# Altium PCB opu010_pcb.PcbDoc (continued)
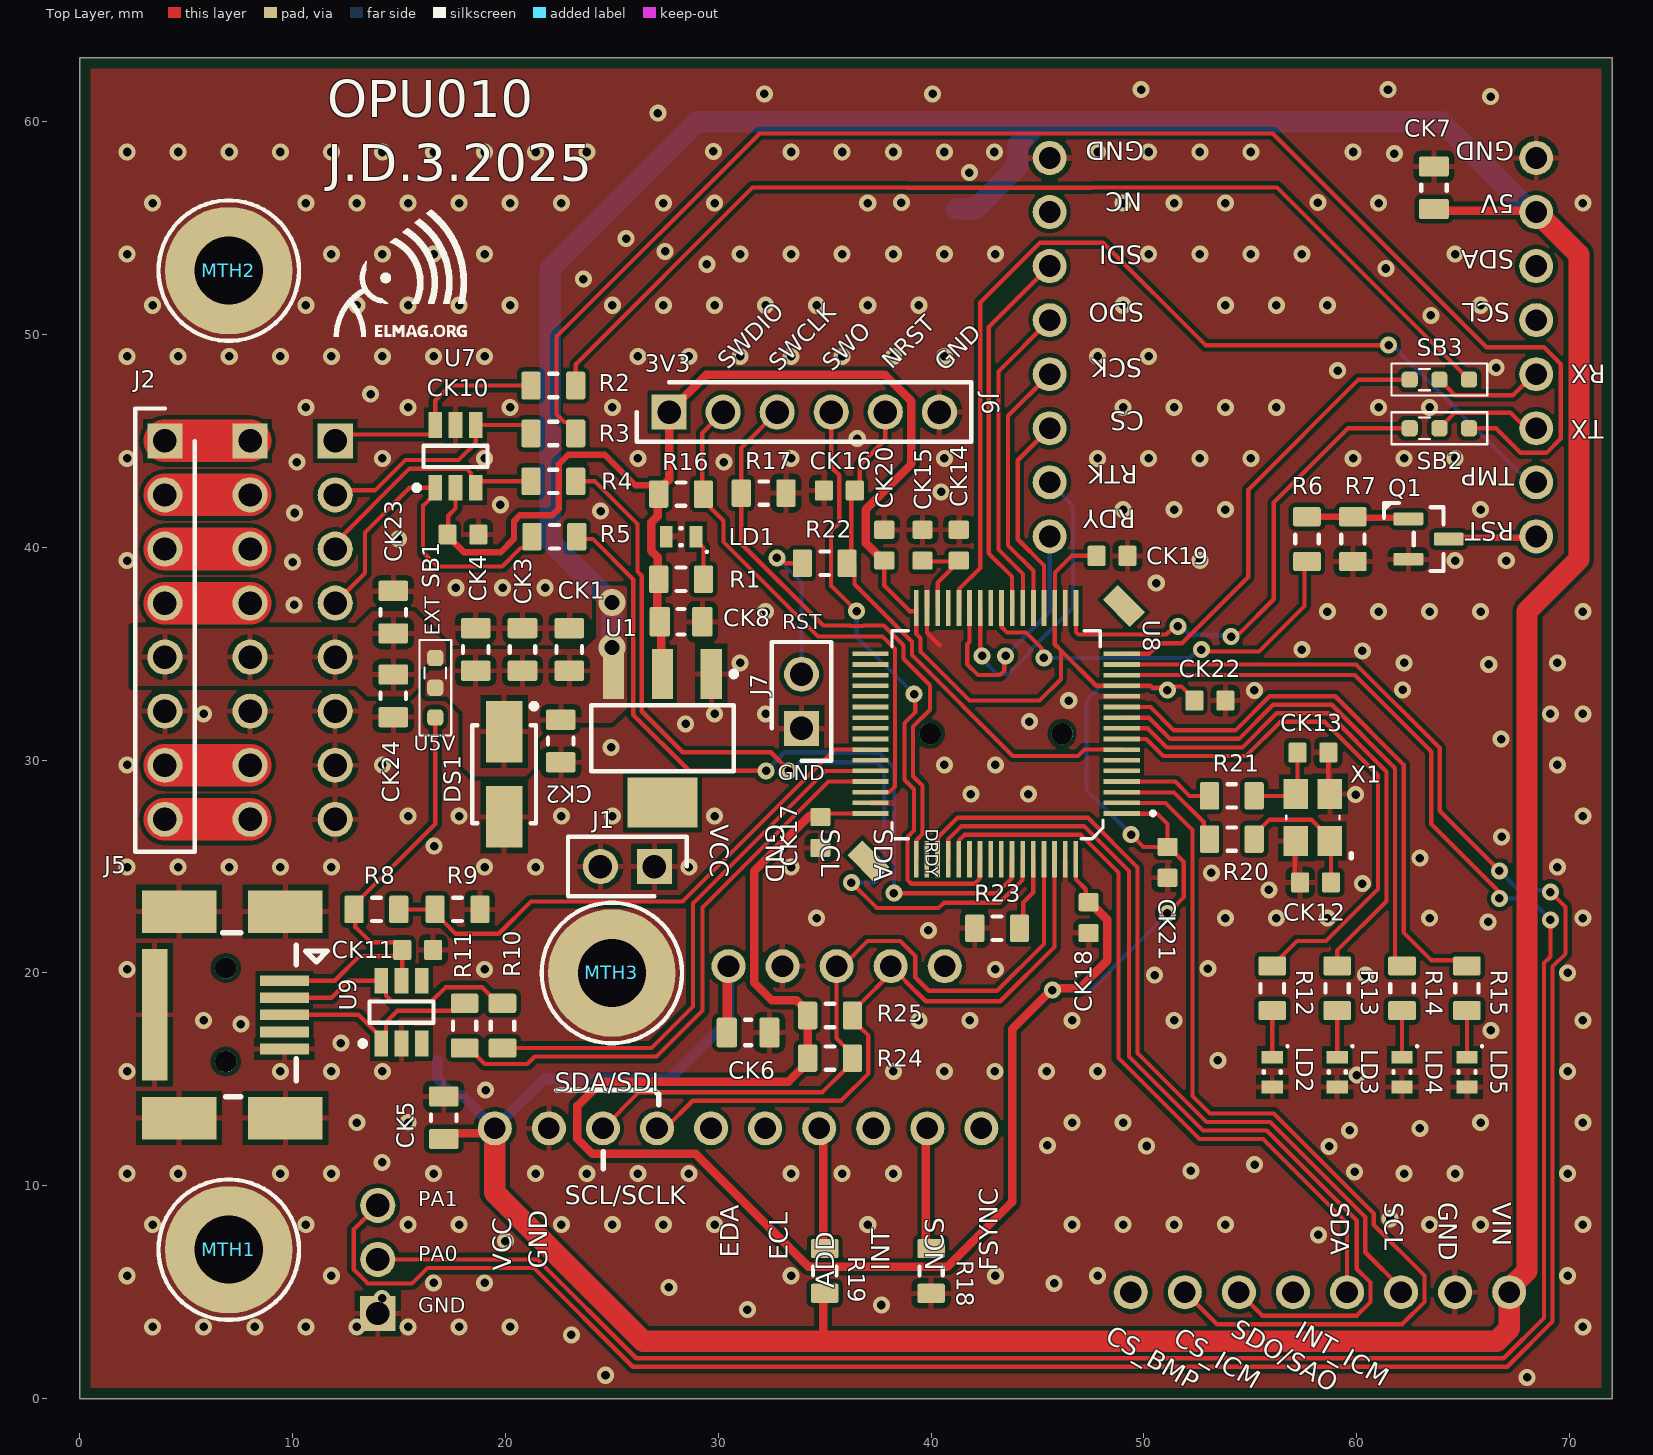
[diagram p0: Top Layer view]
## Footprints (in the part's own frame and the unit in brackets; to place one, negate y for a bottom-side part, rotate by r counter-clockwise, add the part's x,y. Pads: shape width x height; smd on the part's side, far side on the other; paste and mask are expansions set on the pad) (continued)
  rect 6.2x1.2 smd: 6(0.003,3.6)
  silkscreen extent -3.85,-4.51 3.85,0.4, body extent -4.95,-2.83 4.95,6.17, height 4

## Part data
CE1 CE2: library part "Cap el 100u 50V", "100uF 50V ±20% SMD,D8xL10.2mm Aluminum Electrolytic Capacitors - SMD ROHS", JLCPCB Part=C3352, Voltage rating=50V, Basic=No, TME Part=CK1H107M08010VR
CK1 CK2 CK3 CK4 CK5 CK6 CK7 CK8 CK23 CK24: library part "Cap 10u 0805", "25V 10uF X5R ±10% 0805 Multilayer Ceramic Capacitors MLCC - SMD/SMT ROHS", JLCPCB Part=C15850, Voltage rating=25V, Basic=Yes
CK10 CK11 CK17 CK18 CK19 CK20 CK21 CK22: library part "Cap 100n 0603", "50V 100nF X7R ±10% 0603 Multilayer Ceramic Capacitors MLCC - SMD/SMT ROHS", JLCPCB Part=C14663, Voltage rating=50V, Basic=Yes
CK12 CK13: library part "Cap 12p 0603", "50V 12pF C0G ±5% 0603 Multilayer Ceramic Capacitors MLCC - SMD/SMT ROHS", JLCPCB Part=C38523, Voltage rating=50V, Basic=Yes
CK14 CK15 CK16: library part "Cap 2u2 0603", "16V 2.2uF X5R ±10% 0603 Multilayer Ceramic Capacitors MLCC - SMD/SMT ROHS", JLCPCB Part=C23630, Voltage rating=16V, Basic=Yes
DS1: library part B230A-13-F, "30V 500mV@2A 2A SMA(DO-214AC) Schottky Diodes ROHS", JLCPCB Part=C12889
J1: library part "Pin header 2p_F", "Connector", Manufacturer_Name=Connfly, Manufacturer_Part_Number=DS1021-1*2SF11-B, Basic=No, Datasheet Link=https://www.tme.com/Document/cc301e58a5da78cb543a94b5a5b7f06a/DS1021.pdf, Height=5.88mm
J2: library part "Pin header 8p_F", "3A Direct Insert Policy 6P -40℃~+105℃ 2.54mm Single Row Black Brass 1x6P Plugin,P=2.54mm Pin Headers ROHS", Manufacturer_Name=Connfly, Manufacturer_Part_Number=DS1021-1*2SF11-B, Datasheet Link=https://www.tme.com/Document/cc301e58a5da78cb543a94b5a5b7f06a/DS1021.pdf, Height=5.88mm
J3 J4: library part "Pin header 8p", "3A Direct Insert Policy 6P -40℃~+105℃ 2.54mm Single Row Black Brass 1x6P Plugin,P=2.54mm Pin Headers ROHS", JLCPCB Part=C37208, Manufacturer_Name=Connfly, Manufacturer_Part_Number=DS1021-1*2SF11-B, Datasheet Link=https://www.tme.com/Document/cc301e58a5da78cb543a94b5a5b7f06a/DS1021.pdf, Height=5.88mm
J5: "Konektor: USB B mini; zásuvka; na PCB; SMT; PIN: 5; vodorovné", TME Part=MX-67503-1020
J6: library part "Pin header 6p", "3A Direct Insert Policy 6P -40℃~+105℃ 2.54mm Single Row Black Brass 1x6P Plugin,P=2.54mm Pin Headers ROHS", JLCPCB Part=C37208, Manufacturer_Name=Connfly, Manufacturer_Part_Number=DS1021-1*2SF11-B, Datasheet Link=https://www.tme.com/Document/cc301e58a5da78cb543a94b5a5b7f06a/DS1021.pdf, Height=5.88mm
J7: library part "Pin header 2p", "Connector", JLCPCB Part=C492401, Manufacturer_Name=Connfly, Manufacturer_Part_Number=DS1021-1*2SF11-B, Basic=No, Datasheet Link=https://www.tme.com/Document/cc301e58a5da78cb543a94b5a5b7f06a/DS1021.pdf, Height=5.88mm
J8: library part "Pin header 3p", "Direct Insert 2.54mm Policy 3A 2.5mm -40℃~+105℃ 3mm 6mm 250V Black 1x3P Single Row 3P Pin Headers", JLCPCB Part=C2937625, Manufacturer_Name=Connfly, Manufacturer_Part_Number=DS1021-1*2SF11-B, Basic=No, Datasheet Link=https://www.tme.com/Document/cc301e58a5da78cb543a94b5a5b7f06a/DS1021.pdf, Height=5.88mm
LD1 LD4: library part "LED G 0603", "0603 Green Led", JLCPCB Part=C22371297
LD2: library part "LED Y 0603", "0603 Yellow Led", JLCPCB Part=C7496811
LD3: library part "LED B 0603", "0603 Blue Led", JLCPCB Part=C7496819
LD5: library part "LED R 0603", "-40℃~+85℃ Red 0603 LED Indication - Discrete ROHS", JLCPCB Part=C2286
MTH1 MTH2 MTH3: "Universal mounting hole plated"
Q1: "60V 115mA 200mW 7.5Ω@10V,500mA 2.5V@250uA 1 N-Channel SOT-23 MOSFETs ROHS", JLCPCB Part=C8545, Basic=Yes
R1 R6 R12 R13 R14 R15 R24 R25: library part "Res 1k 0805", "125mW Thick Film Resistors 150V ±100ppm/℃ ±1% 1kΩ 0805 Chip Resistor - Surface Mount ROHS", JLCPCB Part=C17513, Package=0805, Tolerance & Rating=1%/0.1W, Author=JP/27.03.2014, Basic=Yes, ComponentLink3Description="rezistor čip", ComponentLink3URL=heliosgreen://v1/hegMT/5-MT/Classes(343)/Folders/OpenForm?RecordNumbers=[381513], SMD=1
R2 R3 R4 R5 R7 R22: library part "Res 100R 0805", "125mW Thick Film Resistors 150V ±100ppm/℃ ±1% 100Ω 0805 Chip Resistor - Surface Mount ROHS", JLCPCB Part=C17408, Package=0805, Tolerance & Rating=1%/0.1W, Author=JP/27.03.2014, Basic=Yes, ComponentLink3Description="rezistor čip", ComponentLink3URL=heliosgreen://v1/hegMT/5-MT/Classes(343)/Folders/OpenForm?RecordNumbers=[381513], SMD=1
R8: library part "Res 4k7 0805", "125mW Thick Film Resistors 150V ±100ppm/℃ ±1% 4.7kΩ 0805 Chip Resistor - Surface Mount ROHS", JLCPCB Part=C17673, Package=0805, Tolerance & Rating=1%/0.1W, Author=JP/27.03.2014, Basic=YES, ComponentLink3Description="rezistor čip", ComponentLink3URL=heliosgreen://v1/hegMT/5-MT/Classes(343)/Folders/OpenForm?RecordNumbers=[381513], SMD=1
R9 R16 R17 R23: library part "Res 10k 0805", "125mW Thick Film Resistors 150V ±100ppm/℃ ±1% 10kΩ 0805 Chip Resistor - Surface Mount ROHS", JLCPCB Part=C17414, Package=0805, Tolerance & Rating=1%/0.1W, Basic=Yes, ComponentLink3Description="rezistor čip", ComponentLink3URL=heliosgreen://v1/hegMT/5-MT/Classes(343)/Folders/OpenForm?RecordNumbers=[381513], SMD=1
R10 R11 R18 R19 R20 R21: library part "Res 0R 0805", "125mW Thick Film Resistors 150V ±800ppm/℃ ±1% 0Ω 0805 Chip Resistor - Surface Mount ROHS", JLCPCB Part=C17477, Package=0805, Tolerance & Rating=1%/0.1W, Author=JP/27.03.2014, Basic=YES, ComponentLink3Description="rezistor čip", ComponentLink3URL=heliosgreen://v1/hegMT/5-MT/Classes(343)/Folders/OpenForm?RecordNumbers=[381513], SMD=1
SB1 SB2 SB3: library part "0R T-junction", JLCPCB Part=C21189, Basic=Yes
U1: "72dB@(120Hz) 1A Fixed 3.3V Positive electrode SOT-223 Voltage Regulators - Linear, Low Drop Out (LDO) Regulators ROHS", JLCPCB Part=C6186, Basic=Yes
U2: library part "devboard MPU9250/6500", "Module, MPU9250/6500"
U3: library part "devboard GY-912", "devboard GY-912"
U4: library part "devboard HMC5883L", "devboard HMC5883L"
U5: library part "devboard ZED-F9P", "devboard GNSS RTK click"
U7 U9: "5A 17V 6V Unidirectional 5.25V SOT-23-6 ESD and Surge Protection (TVS/ESD) ROHS", JLCPCB Part=C111212, Basic=No
U8: "256KB 1.7V~3.6V ARM-M4 64KB 84MHz FLASH 50 LQFP-64(10x10) Microcontrollers (MCU/MPU/SOC) ROHS", JLCPCB Part=C74524, Basic=No
X1: library part "16 MHz crystal", "X322516MLB4SI / 16MHz Surface Mount Crystal 9pF ±10ppm ±20ppm SMD3225-4P Crystals ROHS", JLCPCB=C13738, Basic=Yes

## Via types
v1: diameter 0.8, hole 0.4, Top Layer to Bottom Layer, tented both sides, 334 vias
v2: diameter 0.8, hole 0.4, Top Layer to Bottom Layer, 4 vias
v3: diameter 1.27, hole 0.711, Top Layer to Bottom Layer, tented both sides, 2 vias

## Nets (pads, with @x,y where several pads share a name; then routed paths per layer and width w, separated by ;. In a path a pad name is that pad's centre, name@x,y a point inside that pad or via, vN(x,y) a via of type N, cw(c..) or ccw(c..) an arc to the next point about the centre after c; other vN are vias at no path point)
3V3: CK8.1 CK10.1 CK17.1 CK18.1 CK19.1 CK20.1 CK21.1 CK22.1 J6.1 R1.1 R16.2 R24.1 R25.1 U1.2 U7.2 U8.1 U8.13 U8.19 U8.32 U8.48 U8.64 | length 182.8
  Top Layer w0.2: CK10.1 17.309,40.634 17.309,41.487 17.653,41.831 U7.2 ; CK17.1 34.97,27.495 U8.48 ; CK20.1 37.8,38.2 38.999,37.001 39.296,37.001 U8.32@39.306,37.011 ; U8.32 U8.32@39.306,37.011 ; U8.64 46.809,25.33 46.809,24.391 47.267,23.933 47.267,23.458 CK18.1 ; CK19.1 46.6,39.6 45.816,38.816 45.816,37.153 U8.19 45.806,35.449 46.1,35.155 ; U8.1 48.964,27.485 50.615,27.485 51.1,27 CK21.1 ; v1(49.4,26.5) 49.975,25.925 CK21.1 ; v1(51.1,22.8) 51.875,23.575 51.875,25.2 51.15,25.925 CK21.1 ; v1(51.1,33.295) 50.995,33.4 50.4,33.4 50.3,33.5 50.295,33.495 U8.13 47.76,33.495 46.1,35.155 ; v1@51.1,33.4 51.158,33.458 51.767,33.458 52.375,32.85 CK22.1 ; U8.32@39.306,37.011 39.306,35.922 39.501,35.727 39.501,35.099 41.8,32.8 45.096,32.8 46.1,33.804 46.1,35.155 ; J6.1@27.144,45.813 J6.1 J6.1@27.144,45.813
  Top Layer w0.3: CK10.1 17.275,40.55 18.05,39.775 19.775,39.775 20.4,40.4 20.4,41.231 20.669,41.5 22.2,41.5 22.5,41.8 22.5,43.9 22.95,44.35 24.657,44.35 26.097,42.91 26.9,42.91 27.144,42.666 27.144,42.556 R16.2
  Top Layer w0.4: R16.2@27.144,42.556 27.144,41.46 26.85,41.166 26.85,39.834 27.144,39.54 27.144,38.556 R1.1 27.126,38.426 27.126,36.5 27.313,36.313 27.313,34.112 U1.2 ; R16.2@27.2,42.7 27.45,42.95 27.452,42.95 27.686,43.184 J6.1 29.431,48.1 37.833,48.1 39.071,46.862 39.071,43.915 36.925,41.769 36.925,40.2 37.75,39.375 CK20.1 ; R24.1 R24.1@34.2,15.8 ; R25.1 R25.1@34.2,18.2 ; CK17.1 34.737,27.388 34.288,27.388 31.68,24.78 31.68,19.555 32.523,18.712 33.688,18.712 R25.1@34.2,18.2 ; v1(45.7,19.2) 45.717,19.217 v1@45.717,19.277 ; CK18.1 47.45,23.325 48.275,22.5 48.275,20.575 46.977,19.277 v1@45.717,19.277 ; R24.1@34.2,15.8 33.3,14.9 24.523,14.9 23.38,13.757 23.38,12.203 24.083,11.5 28.937,11.5 34.237,6.2 40.763,6.2 43.8,9.237 43.8,17.359 v1@45.717,19.277 ; R24.1@34.2,15.8 R25.1@34.2,18.2
  Bottom Layer w0.2: v1(45.7,19.2) 47.5,19.2 v1(51.1,22.8) ; v1(49.4,26.5) 47.3,28.6 47.3,32.8 47.956,33.456 50.3,33.456 50.4,33.356 51.039,33.356 v1(51.1,33.295)
+5: CE1.1 CE2.1 CK1.1 CK2.1 CK3.1 CK4.1 CK5.1 CK6.1 CK7.1 DS1.1 R19.1 SB1.2 U1.3 U2.1 U3.1 U4.1 U5.10 | length 217.7
  Top Layer w0.4: CK5.1 17.37,12.47 19.27,12.47 U2.1 ; 34.925,3 34.925,4.875 R19.1 ; CK7.1 63.699,55.824 68.359,55.824 U5.10
  Top Layer w0.45: CK6.1 30.425,17.225 30.425,20.265 U4.1
  Top Layer w1: U2.1 19.5,9.674 26.474,2.7 66.574,2.7 67.159,3.286 U3.1@67.159,4.999 ; U3.1@67.16,5.162 68,6.002 68,37 70.438,39.438 70.438,53.745 U5.10
  Bottom Layer w0.5: CE1.1 16.8,15.025 17.6,14.225 17.975,14.225 U2.1 21.82,15.02 27.72,15.02 30.48,17.78 U4.1
  Bottom Layer w1: v3@24.99,37.41 22.098,40.302 22.098,53.086 29.012,60 45.6,60 ; v3(25,35.3) v3(25,37.4) ; CE2.1 42.075,55.9 44.07,57.895 44.07,58.914 45.156,60 45.6,60 ; U5.10 68.199,55.753 63.952,60 45.6,60
+5_ext: CK23.1 CK24.1 J2.5 J3.5 J4.5 SB1.3
+24V: J2.7 J3.7 | length 4
  Top Layer w2: J2.7 J3.7
\M\O\T\O\R\_\E\N\A\B\L\E\: J2.1 J3.1 | length 4
  Top Layer w2: J2.1 J3.1
AOU_UART_RX: J2.3 J3.3 | length 4
  Top Layer w2: J2.3 J3.3
AOU_UART_TX: J2.4 J3.4 | length 4
  Top Layer w2: J2.4 J3.4
CS_BMP: U3.8
CS_ICM: U3.7 U8.2 | length 44.6
  Top Layer w0.2: U8.2 48.964,27.985 51.015,27.985 52.275,26.725 52.275,14.225 53.1,13.4 56.097,13.4 60.8,8.697 60.8,8.163 63.18,5.783 63.18,4.544 62.136,3.5 53.42,3.5 U3.7
ERR_OUT: J2.2 J3.2 | length 4
  Top Layer w2: J2.2 J3.2
GND: CE1.2 CE2.2 CK1.2 CK2.2 CK3.2 CK4.2 CK5.2 CK6.2 CK7.2 CK8.2 CK10.2 CK11.2 CK12.2 CK13.2 CK14.2 CK15.1 CK16.2 CK17.2 CK18.2 CK19.2 CK20.2 CK21.2 CK22.2 CK23.2 CK24.2 DS1.2 J1.1 J1.2 J2.6 J3.6 J4.6 J4.7 J4.8 J5.5 J5.6 J6.6 J7.1 J8.1 LD1.2 LD2.2 LD3.2 LD4.2 LD5.2 MTH1.1 MTH2.1 MTH3.1 Q1.2 R7.1 R9.1 R17.1 R18.1 R23.1 U1.1 U2.2 U3.2 U4.2 U5.8 U5.9 U7.5 U8.12 U8.18 U8.31 U8.47 U8.63 U9.2 X1.2 X1.4 | length 6
  Top Layer w0.2: U8.31 39.806,35.994 40.4,35.4 ; X1.4 57.09,26.157 57.09,24.507 CK12.2 ; CK13.2 58.663,28.48 X1.2
  other v1: 68,1 24.7,1.1 23.1,3 3.422,3.374 5.822,3.374 8.222,3.374 10.622,3.374 13.022,3.374 15.422,3.374 17.822,3.374 20.222,3.374 70.622,3.374 31.361,4.181 37.666,4.4 14.2,4.715 27.679,5.233 45.778,5.418 16.622,5.44 19.022,5.44 2.222,5.774 11.822,5.774 33.422,5.774 43.022,5.774 47.822,5.774 69.9,5.774 20,7.4 58.2,7.7 3.422,8.174 10.622,8.174 15.422,8.174 17.822,8.174 22.622,8.174 25.022,8.174 27.422,8.174 29.822,8.174 37.022,8.174 46.622,8.174 49.022,8.174 51.422,8.174 53.822,8.174 63.422,8.174 65.822,8.174 70.622,8.174 61.566,8.453 2.222,10.574 4.622,10.574 9.422,10.574 11.822,10.574 16.622,10.574 21.422,10.574 23.822,10.574 26.222,10.574 28.622,10.574 33.422,10.574 35.822,10.574 38.222,10.574 62.222,10.574 64.622,10.574 69.9,10.574 59.9,10.652 52.2,10.7 55.2,11 14.2,11.1 50.123,11.871 58.7,11.852 45.466,11.9 59.666,12.6 62.966,12.7 13.022,12.974 15.422,12.974 46.622,12.974 49.022,12.974 65.822,12.974 70.622,12.974 19.066,14.5 60,15.2 2.222,15.374 9.422,15.374 11.822,15.374 14.222,15.374 38.222,15.374 40.622,15.374 43,15.374 45.422,15.374 47.822,15.374 69.9,15.374 53.473,15.897 12.266,16.7 66.3,17.3 7.566,17.6 5.822,17.774 39.422,17.774 41.822,17.774 46.622,17.774 51.422,17.774 70.622,17.774 50.5,19.9 60.4,19.9 69.9,20.008 2.222,20.174 19.022,20.174 43.022,20.174 53,20.2 39.866,22 66.166,22.4 34.622,22.574 53.822,22.574 56.222,22.574 58.622,22.574 63.422,22.574 70.622,22.574 55.866,23.9 60.266,24.2 53.166,24.7 2.222,24.974 4.622,24.974 7.022,24.974 9.422,24.974 11.822,24.974 19.022,24.974 21.422,24.974 28.622,24.974 33.422,24.974 69.422,24.974 62.965,25.399 16.644,25.955 66.8,26.4 15.422,27.374 17.822,27.374 22.622,27.374 25.022,27.374 29.822,27.374 70.622,27.374 59.947,28.383 41.866,28.4 44.566,28.4 2.222,29.774 14.222,29.774 40.622,29.774 43.022,29.774 69.422,29.774 24.966,30.6 66.776,30.983 28.466,31.7 44.619,31.809 5.822,32.174 29.822,32.174 32.222,32.174 69.1,32.174 70.622,32.174 46.466,32.8 55.188,33.278 62.152,33.304 66.2,34.5 31.022,34.574 62.222,34.574 69.422,34.574 60.257,35.134 57.422,35.195 32.222,36.974 58.622,36.974 61.022,36.974 63.422,36.974 65.822,36.974 70.622,36.974 10.066,37.3 17.666,38.1 19.866,38.1 21.866,38.1 50.577,38.319 10,39.3 2.222,39.374 52.622,39.374 64.622,39.374 67.022,39.374 14.966,40.4 10.092,41.612 24.466,41.7 49.022,41.774 51.422,41.774 53.822,41.774 65.822,41.774 19.766,42 40.466,42.6 10.2,44 30.266,44 2.222,44.174 14.222,44.174 19.022,44.174 26.222,44.174 33.422,44.174 40.622,44.174 47.822,44.174 50.222,44.174 52.622,44.174 55.022,44.174 59.822,44.174 62.222,44.174 64.622,44.174 36.528,45.102 10.622,46.574 15.422,46.574 20.222,46.574 25.022,46.574 49.022,46.574 51.422,46.574 53.822,46.574 56.222,46.574 61.022,46.574 63.422,46.574 13.666,47.2 59.1,48.3 66.544,48.448 2.222,48.974 4.622,48.974 7.022,48.974 9.422,48.974 11.822,48.974 14.222,48.974 16.622,48.974 19.022,48.974 26.222,48.974 28.622,48.974 31.022,48.974 33.422,48.974 35.822,48.974 38.222,48.974 40.622,48.974 47.822,48.974 50.222,48.974 63.48,50.893 3.422,51.374 10.622,51.374 13.022,51.374 15.422,51.374 17.822,51.374 20.222,51.374 25.022,51.374 27.422,51.374 29.822,51.374 32.222,51.374 34.622,51.374 37.022,51.374 39.422,51.374 49.022,51.374 53.822,51.374 56.222,51.374 58.622,51.374 65.822,51.374 23.666,52.6 61.366,53.1 29.466,53.3 2.222,53.774 11.822,53.774 14.222,53.774 16.622,53.774 19.022,53.774 31.022,53.774 33.422,53.774 35.822,53.774 38.222,53.774 40.622,53.774 43.022,53.774 50.222,53.774 52.622,53.774 55.022,53.774 57.422,53.774 64.622,53.774 27.5,53.9 25.666,54.5 3.422,56.174 10.622,56.174 13.022,56.174 15.422,56.174 17.822,56.174 20.222,56.174 22.622,56.174 27.422,56.174 29.822,56.174 37.022,56.174 49.022,56.174 51.422,56.174 53.822,56.174 61.022,56.174 70.622,56.174 38.6,56.2 58.166,56.2 41.8,57.6 61.766,58.5 2.222,58.574 4.622,58.574 7.022,58.574 9.422,58.574 11.822,58.574 14.222,58.574 16.622,58.574 19.022,58.574 21.422,58.574 23.822,58.574 33.422,58.574 35.822,58.574 38.222,58.574 40.622,58.574 42.97,58.574 47.822,58.574 50.222,58.574 52.622,58.574 55.022,58.574 59.822,58.574 29.766,58.6 27.166,60.4 66.283,61.178 32.166,61.3 40.066,61.3 49.866,61.5 61.466,61.5
gps-time-pulse: U5.15 U8.28 | length 46.7
  Top Layer w0.2: U8.28 41.316,37.153 41.316,38.038 42.307,39.028 42.307,51.506 45.114,54.313 48.076,54.313 52.889,49.5 v1(61.5,49.5)
  Bottom Layer w0.2: v1(61.5,49.5) 61.662,49.5 68.109,43.053 U5.15
gps_rdy: U5.1 U8.27 | length 11.9
  Top Layer w0.2: U8.27 41.806,35.555 41.7,35.449 41.7,34.5 42.2,34 43.24,34 43.44,34.2 43.44,34.84 v1(43.5,34.9)
  Bottom Layer w0.2: v1(43.5,34.9) 45.57,36.97 U5.1
gps_rtk: U5.2 U8.26 | length 14.7
  Top Layer w0.2: U8.26 42.306,34.994 v1(42.4,34.9)
  Bottom Layer w0.2: v1(42.4,34.9) 42.4,34.738 43.095,34.042 43.632,34.042 44.6,35.01 44.6,35.09 46.67,37.16 46.67,41.953 U5.2
gps_spi_CS: U5.3 U8.20 | length 9.6
  Top Layer w0.2: U8.20 45.306,39.145 44.069,40.382 44.069,44.092 U5.3
gps_spi_MISO: U5.5 U8.22 | length 15
  Top Layer w0.2: U8.22 44.316,37.153 44.316,38.749 43.161,39.904 43.161,48.264 U5.5
gps_spi_MOSI: U5.6 U8.23 | length 17.7
  Top Layer w0.2: U8.23 43.801,37.893 43.801,38.622 42.707,39.716 42.707,50.35 U5.6
gps_spi_SCK: U5.4 U8.21 | length 12.3
  Top Layer w0.2: U8.21 44.806,38.901 43.615,40.092 43.615,46.178 U5.4
GPS_UART_RX: SB3.2 U5.13 | length 5.4
  Top Layer w0.2: SB3.2 64.616,47.144 67.337,47.144 U5.13@68.517,48.324
GPS_UART_RX_OUT: R2.2 SB3.1 | length 50.2
  Top Layer w0.2: R2.2 23.3,48.597 31.61,56.907 38.883,56.907 38.89,56.9 47.566,56.9 47.573,56.907 56.25,56.907 SB3.1
GPS_UART_TX: SB2.2 U5.14 | length 5.2
  Top Layer w0.2: SB2.2 64.616,46.328 67.21,46.328 67.677,45.861 68.162,45.861 U5.14
GPS_UART_TX_OUT: R3.2 SB2.1 | length 69.2
  Top Layer w0.2: R3.2 23.3,45.536 22.95,45.886 22.764,45.886 22.4,46.25 22.4,49.9 31.947,59.447 56.053,59.447 66.097,49.403 68.792,49.403 69.584,48.611 69.584,45.115 68.908,44.439 67.702,44.439 66.548,45.593 SB2.1
imu_iic_scl: R24.2 U2.3 U4.3 U8.61 | length 34.6
  Top Layer w0.2: U2.3 26.28,14.4 34.9,14.4 35.95,15.45 36.3,15.8 36.3,16.2 35.95,16.55 35.936,16.55 35.55,16.936 35.55,20.112 U4.3@35.758,20.32 ; U4.3 U4.3@35.758,20.32 ; U8.61 45.3,21.366 43.1,19.166 39.889,19.166 39.254,19.801 39.254,20.798 38.552,21.5 37.013,21.5 35.833,20.32 U4.3@35.758,20.32
imu_iic_sda: R25.2 U2.4 U4.4 U8.62 | length 30.7
  Top Layer w0.2: U2.4 27.499,12.7 28.799,14 35.772,14 37.05,15.278 37.05,17.064 36.664,17.45 36.65,17.45 36.3,17.8 36.3,18.2 36.65,18.55 36.664,18.55 38.1,19.986 U4.4 38.8,19.62 38.8,19.613 39.744,18.669 43.245,18.669 45.799,21.224 U8.62
mcu_gps_rst: R6.2 U8.24 | length 19.1
  Top Layer w0.2: U8.24@43.316,37.133 43.316,36.249 43.572,35.993 44.456,35.993 45.185,35.265 45.185,34.915 v1(45.3,34.8) ; v1(52.7,35.195) 52.795,35.1 55.4,35.1 57.548,37.248 57.548,39.226 R6.2
  Bottom Layer w0.2: v1(45.3,34.8) 52.142,34.8 52.538,35.195 v1(52.7,35.195)
MCU_NRST: CK16.1 J6.5 R22.1 U8.7 | length 25.4
  Top Layer w0.2: R22.1 R22.1@36.15,39.35 ; J6.5 37.846,45.053 36.652,43.859 36.652,42.912 36.25,42.51 36.25,39.45 R22.1@36.15,39.35 ; U8.7 48.944,30.505 47.205,30.505 46.9,30.2 43.834,30.2 39.101,34.933 39.101,35.561 36.4,38.263 36.4,39.1 R22.1@36.15,39.35
MCU_SWO: J6.4 U8.55 | length 28.9
  Top Layer w0.2: J6.4 35.306,43.765 35.687,43.384 35.687,41.15 35.3,40.763 35.3,38.2 v1(36.5,37) ; v1(39.2,33.1) 39.25,33.05 39.25,32.236 38.753,31.739 38.753,29.081 39.2,28.634 39.2,26.691 38.89,26.38 38.89,24.366 39.065,24.19 42.034,24.19 42.29,24.446 42.29,25.33 U8.55
  Bottom Layer w0.2: v1(36.5,37) 36.5,35.8 v1(39.2,33.1)
MCU_USART1_RX: R4.2 U8.59 | length 42.1
  Top Layer w0.2: R4.2 24.2,43.1 26.2,41.1 26.2,38.866 26.4,38.666 26.4,32.3 28.329,30.371 32.467,30.371 33.3,29.538 v1(33.3,29.5) ; v1(36.25,24.25) 37.45,23.05 40.35,23.05 40.6,23.3 43.22,23.3 44.29,24.37 44.29,25.33 U8.59
  Bottom Layer w0.2: v1(33.3,29.5) 33.462,29.5 33.862,29.9 37.434,29.9 37.8,29.534 37.8,24.7 37.35,24.25 v1(36.25,24.25)
MCU_USART1_TX: R5.2 U8.58 | length 36.5
  Top Layer w0.2: R5.2 23.46,40.39 24.11,40.39 26,38.5 26,32.134 28.634,29.5 v1(32.25,29.5) ; v1(38.25,23.75) 43.093,23.75 43.79,24.446 43.79,25.33 U8.58
  Bottom Layer w0.2: v1(32.25,29.5) 33.121,30.371 37.529,30.371 38.25,29.65 v1(38.25,23.75)
MCU_USART2_RX: SB2.3 U8.17 | length 24
  Top Layer w0.2: U8.17 46.806,36.015 46.924,35.898 51.046,35.898 51.435,36.287 v1(51.597,36.287) ; v1(54.1,35.8) 54.262,35.8 54.436,35.974 54.516,35.974 56.1,37.558 56.1,42.1 59.593,45.593 SB2.3
  Bottom Layer w0.2: v1(51.597,36.287) 51.754,36.287 52.17,35.87 52.385,35.87 52.41,35.895 52.99,35.895 53.015,35.87 54.03,35.87 v1(54.1,35.8)
MCU_USART2_TX: SB3.3 U8.16 | length 21.3
  Top Layer w0.2: U8.16 50.24,34.995 50.742,35.498 51.798,35.498 54.9,38.6 54.9,42.7 60.079,47.879 SB3.3
NetCK12_1: CK12.1 R20.1 X1.1 | length 6.5
  Top Layer w0.2: R20.1 55.178,26.489 55.894,27.205 57.863,27.205 58.738,26.33 X1.1 58.79,26.153 CK12.1
NetCK13_1: CK13.1 R21.1 X1.3 | length 4
  Top Layer w0.2: R21.1 57.054,28.321 57.213,28.48 CK13.1
NetCK14_1: CK14.1 CK15.2 U8.30 | length 4.4
  Top Layer w0.2: CK15.2 39.637,39.338 41.277,39.338 CK14.1@41.3,39.361 ; U8.30 40.306,38.337 40.925,38.955 40.925,39.05 41.25,39.375 CK14.1@41.281,39.375
NetJ4_1: J4.1 R2.1 U7.6 | length 11.1
  Top Layer w0.2: J4.1 12.3,45.3 16.478,45.3 16.703,45.525 16.703,46.903 17.4,47.6 R2.1
NetJ4_2: J4.2 R3.1 U7.4 | length 11.2
  Top Layer w0.2: J4.2 12.215,42.675 13.875,42.675 15.297,44.097 17.797,44.097 18.603,44.903 18.603,45.497 U7.4 20.85,45.747 21.2,45.397 R3.1
NetJ4_3: J4.3 R4.1 U7.3 | length 12.6
  Top Layer w0.2: J4.3 12,40.2 15.497,43.697 18.162,43.697 18.378,43.481 18.378,43.297 18.419,43.256 U7.3@18.603,43.256 ; R4.1 U7.3@18.828,43.1 ; U7.3@18.603,43.031 U7.3@18.603,43.256 ; U7.3@18.603,43.031 U7.3 U7.3@18.828,43.022 ; U7.3@18.603,43.031 U7.3@18.828,43.256 ; U7.3@18.603,43.256 U7.3@18.828,43.256 ; U7.3@18.828,43.022 U7.3@18.828,43.1 ; U7.3@18.828,43.022 U7.3@18.828,43.1 ; U7.3@18.828,43.1 U7.3@18.828,43.256
NetJ4_4: J4.4 R5.1 U7.1 | length 17.4
  Top Layer w0.2: J4.4 13.4,38.78 13.4,40.7 15.497,42.797 U7.1 16.703,42.522 16.129,41.948 16.129,39.771 16.8,39.1 19.85,39.1 20.714,39.964 20.9,39.964 21.25,40.314 R5.1
NetJ5_2: J5.2 R10.1 U9.6 | length 11.8
  Top Layer w0.2: J5.2 11.822,18.834 12.624,19.636 U9.6 14.388,19.411 14.388,18.935 14.641,18.682 16.535,18.682 17.179,19.326 18.908,19.326 19.658,18.576 R10.1
NetJ5_3: J5.3 R11.1 U9.1 | length 10.4
  Top Layer w0.2: J5.3 13.09,18.034 14.163,16.961 U9.1 14.388,16.911 14.388,17.688 14.928,18.228 17.732,18.228 R11.1
NetJ7_2: J7.2 R22.2 | length 7.2
  Top Layer w0.2: v1(32.75,39.5) 32.912,39.5 33.162,39.25 R22.2
  Bottom Layer w0.2: v1(32.75,39.5) 33.909,38.341 J7.2
NetJ8_2: J8.2 U8.14 | length 103.4
  Top Layer w0.2: J8.2 21.503,6.54 26.143,1.9 66.905,1.9 68.8,3.795 68.8,20.464 69.1,20.764 v2(69.1,22.5) ; U8.14 59.905,33.995 63.495,30.405 63.495,27 66.585,23.91 66.585,23.615 v2(66.7,23.5)
  Bottom Layer w0.2: v2(66.7,23.5) 68.1,23.5 v2(69.1,22.5)
NetJ8_3: J8.3 U8.15 | length 110.2
  Top Layer w0.2: J8.3 12.875,7.955 12.875,6.074 13.534,5.415 15.607,5.415 16.332,6.14 21.337,6.14 25.977,1.5 67.071,1.5 69.2,3.629 69.2,20.298 69.8,20.898 69.8,23.1 v2(69.1,23.8) ; U8.15 59.97,34.495 63.895,30.571 63.895,27.605 v2(66.7,24.8)
  Bottom Layer w0.2: v2(66.7,24.8) 67.6,23.9 69,23.9 v2(69.1,23.8)
NetLD1_1: LD1.1 R1.2 | length 2.2
  Top Layer w0.2: LD1.1 28.894,40.444 28.894,40.313 29.094,40.113 29.183,40.113 29.3,39.996 R1.2
NetLD2_1: LD2.1 R12.2 | length 2.2
  Top Layer w0.2: LD2.1 R12.2
NetLD3_1: LD3.1 R13.2 | length 2.2
  Top Layer w0.2: LD3.1 R13.2
NetLD4_1: LD4.1 R14.2 | length 2.2
  Top Layer w0.2: LD4.1 R14.2
NetLD5_1: LD5.1 R15.2 | length 2.2
  Top Layer w0.2: LD5.1 R15.2
NetQ1_1: Q1.1 R6.1 R7.2 | length 4.8
  Top Layer w0.3: R6.1 R7.2 59.867,41.386 62.373,41.386 Q1.1
NetQ1_3: Q1.3 U5.16 | length 4.2
  Top Layer w0.3: Q1.3 64.386,40.449 68.366,40.449 U5.16
NetR8_1: R8.1 R9.2 U8.42 | length 26.3
  Top Layer w0.2: R8.1 R9.2 16.696,22.787 17.046,22.437 17.06,22.437 17.653,21.844 19.685,21.844 21.195,23.354 28.325,23.354 35.466,30.495 U8.42
NetR10_2: R10.2 U8.44 | length 25.5
  Top Layer w0.2: R10.2 26.861,16.476 28.808,18.423 28.808,23.271 35.033,29.495 U8.44
NetR11_2: R11.2 U8.45 | length 27.7
  Top Layer w0.2: R11.2 18.28,16.476 19.03,15.726 21.026,15.726 21.376,16.076 27.103,16.076 29.262,18.235 29.262,23.083 35.175,28.995 U8.45
NetR12_1: R12.1 U8.8 | length 25.9
  Top Layer w0.2: U8.8 50.107,30.995 50.903,30.2 54.8,30.2 56.4,31.8 58.49,31.8 61,29.29 61,23.944 58.556,21.5 57.196,21.5 R12.1
NetR13_1: R13.1 U8.9 | length 24.7
  Top Layer w0.2: U8.9 50.173,31.495 51.069,30.6 54.634,30.6 56.234,32.2 58.656,32.2 61.4,29.456 61.4,23.372 59.077,21.049 R13.1
NetR14_1: R14.1 U8.10 | length 24.6
  Top Layer w0.2: U8.10 50.239,31.995 51.234,31 54.469,31 56.069,32.6 58.822,32.6 61.8,29.622 61.8,20.658 R14.1
NetR15_1: R15.1 U8.11 | length 27.1
  Top Layer w0.2: U8.11 50.305,32.495 51.4,31.4 54.3,31.4 55.9,33 58.988,33 62.2,29.788 62.2,21.906 63.513,20.593 64.847,20.593 R15.1@65.107,20.333
NetR18_2: R18.2 U2.9 | length 5.8
  Top Layer w0.4: U2.9 39.751,12.631 39.751,7.299 R18.2
NetR19_2: R19.2 U2.7 | length 5.8
  Top Layer w0.4: U2.7 34.925,12.515 34.925,7.125 R19.2
NetR20_2: R20.2 U8.3 | length 5.3
  Top Layer w0.2: U8.3 48.964,28.485 51.415,28.485 52.809,27.091 52.809,26.558 R20.2
NetR21_2: R21.2 U8.4 | length 4.4
  Top Layer w0.2: U8.4 51.47,28.995 52.145,28.321 R21.2
NetR23_2: R23.2 U8.60 | length 4
  Top Layer w0.2: R23.2 44.15,21.9 44.218,21.832 44.323,21.937 44.323,23.3 44.8,23.777 U8.60
P_GND: J2.8 J3.8 | length 4
  Top Layer w2: J2.8 J3.8
SPI3_MISO: U3.6 U8.52 | length 44.2
  Top Layer w0.2: U8.52 40.81,25.35 40.81,26.3 41.4,26.89 47.199,26.89 49.3,24.79 49.3,16.069 52.769,12.6 55.766,12.6 60,8.366 60,6.096 60.64,5.456 60.64,4.544 59.996,3.9 55.56,3.9 U3.6
SPI3_MOSI: U3.4 U8.53 | length 35.2
  Top Layer w0.2: U8.53 41.31,25.35 41.31,26.235 41.565,26.49 47.034,26.49 48.8,24.724 48.8,16.003 52.603,12.2 55.6,12.2 59.54,8.26 U3.4
SPI3_SCK: U3.3 U8.51 | length 38.6
  Top Layer w0.2: U8.51 40.31,25.35 40.31,26.366 41.234,27.29 47.365,27.29 49.7,24.956 49.7,16.234 52.934,13 55.931,13 60.4,8.531 60.4,6.881 62.08,5.201 U3.3
SWDCLK: J6.3 R17.2 U8.49 | length 27.7
  Top Layer w0.2: J6.3 31.081,44.67 R17.2 31.081,40.169 34.928,36.322 36.188,36.322 36.21,36.3 36.79,36.3 36.812,36.322 37.775,36.322 38.701,35.395 38.701,34.767 39.95,33.519 39.95,32.37 39.153,31.573 39.153,29.247 39.6,28.8 39.6,26.525 39.31,26.235 39.31,25.35 U8.49
SWDIO: J6.2 R16.1 U8.46 | length 24.8
  Top Layer w0.2: J6.2 29.244,45.373 29.244,42.556 R16.1 29.295,42.494 29.594,42.195 29.594,41.906 30.25,41.25 30.25,40.25 34.686,35.814 37.717,35.814 38.301,35.23 38.301,28.761 38.046,28.505 37.161,28.505 U8.46
U5V: CK11.1 J5.1 R8.2 SB1.1 U9.5 | length 21.7
  Top Layer w0.2: J5.1 11.98,19.634 13.138,20.792 14.86,20.792 CK11.1 ; U9.5 15.15,19.673 CK11.1 ; SB1.1 16.7,27.001 12.886,23.187 R8.2 12.946,22.927 12.946,22.154 13.652,21.448 14.825,21.448 15.15,21.123 CK11.1
pads on no net: J5.0 J5.4 U1.4 U2.5 U2.6 U2.8 U2.10 U3.5 U4.5 U5.7 U5.11 U5.12 U8.0 U8.5 U8.6 U8.25 U8.29 U8.33 U8.34 U8.35 U8.36 U8.37 U8.38 U8.39 U8.40 U8.41 U8.43 U8.50 U8.54 U8.56 U8.57 U9.3 U9.4

## Polygon pours and split planes (outlines as drawn)
GND on Top Layer "NONET_L01_P-001" (solid, pour order 2): 0,63 72,63 72,0 0,0
+5 on Top Layer "NONET_L01_P-001" (solid, pour order 1): 24.259,35.759 24.259,38.059 24.4,38.2 25.6,38.2 25.75,38.05 25.75,32.5 25,31.75 22.25,31.75 21.4,30.9 21.4,29.7 20.95,29.25 18.45,29.25 18,29.7 18,32.25 17.25,33 16.25,33 16.25,34.007 16.548,34.305 17.443,35.2 23.7,35.2
+5_ext on Top Layer "NONET_L01_P-001" (solid, pour order 0): 16.25,34.5 16,34.25 16,33.5 15.5,33 13.5,33 13,33.5 2.5,33.5 2.5,36.25 13,36.25 13.75,37 15.7,37 17.2,35.5 17.2,34.5
GND on Bottom Layer "NONET_L01_P-001" (solid, pour order 3): 0,0 72,0 72,63 0,63

## Silkscreen, mask and mechanical layers (free items; w line width, h text height)
Top Overlay:
  drawing of 20 lines, arcs and shapes, not listed
  text "OPU010 / J.D.3.2025" at 11.625,56.622 h3
  text "SWDIO" at 30.45,48.326 h0.8 r45
  text "NRST" at 38.15,48.326 h0.8 r45
  text "3V3" at 26.55,48.243 h0.8
  text "SWCLK" at 32.85,48.226 h0.8 r45
  text "SWO" at 35.35,48.226 h0.8 r45
  text "GND" at 40.65,48.226 h0.8 r45
  text "RST" at 33,35.914 h1.2
  text "EXT" at 17.144,35.844 h1.2 r90
  text "U5V" at 15.7,30.213 h1.2
  text "GND" at 32.8,28.813 h1.2
  text "PA1" at 15.9,8.8 h1.2
  text "PA0" at 15.9,6.213 h1.2
  text "GND" at 15.9,3.813 h1.2
Bottom Overlay:
  lines w0.254: 18.8,25.5 20.9,25.5 20.9,46.4 18.8,46.4 18.8,25.5 ; 21.7,25.5 23.8,25.5 23.8,46.4 21.7,46.4 21.7,25.5
  text "SWCLK" at 35.417,50.3 h0.8 r45
  text "SWDIO" at 32.817,50.2 h0.8 r45
  text "NRST" at 39.817,49.5 h0.8 r45
  text "GND" at 41.917,49.1 h0.8 r45
  text "SWO" at 36.917,49 h0.8 r45
  text "3V3" at 28.7,48.2 h0.8
  text "J3" at 20.402,47.214 h1.2
  text "J4" at 23.302,47.113 h1.2
  text "Mot nEn" at 18.3,44.512 h1.2
  text "GPS RX" at 28.545,44.513 h1.2
  text "Err_out" at 18.2,42.113 h1.2
  text "GPS TX" at 28.426,41.813 h1.2
  text "AOU RX" at 18.201,39.413 h1.2
  text "MCU RX" at 28.7,39.313 h1.2
  text "AOU TX" at 18.201,36.813 h1.2
  text "MCU TX" at 28.581,36.813 h1.2
  text "+5" at 18.2,34.313 h1.2
  text "+5" at 25.682,34.213 h1.2
  text "GND" at 18.2,31.713 h1.2
  text "GND" at 26.829,31.713 h1.2
  text "24V" at 18.201,29.2 h1.2
  text "GND" at 26.829,29.113 h1.2
  text "P_GND" at 18.1,26.913 h1.2
  text "GND" at 26.829,26.513 h1.2
  text "GND" at 31.629,24.613 h1.2
  text "GND" at 23.415,23.663 h1.2
  text "PA1" at 17.5,8.9 h1.2
  text "PA0" at 17.7,6.313 h1.2
  text "GND" at 17.9,3.813 h1.2
Board Shape:
  the board outline again, w0.254

## Text inside footprints (layer, text, board x,y; h text height)
U2: Top Overlay "ADD" at 35.752,5.186 h1.5 r90; Top Overlay "INT" at 38.352,6 h1.5 r90; Top Overlay "GND" at 22.272,6.114 h1.5 r90; Top Overlay "EDA" at 31.272,6.614 h1.5 r90; Top Overlay "VCC" at 20.572,6 h1.5 r90; Top Overlay "FSYNC" at 43.432,6 h1.5 r90; Top Overlay "NCS" at 40.892,6 h1.5 r90; Top Overlay "SCL/SCLK" at 22.782,8.828 h1.5; Top Overlay "SDA/SDI" at 22.314,14.128 h1.5; Top Overlay "ECL" at 33.572,6.514 h1.5 r90
U3: Top Overlay "INT_ICM" at 56.864,2.672 h1.5 r330; Top Overlay "CS_BMP" at 47.964,2.472 h1.5 r330; Top Overlay "CS_ICM" at 51.164,2.372 h1.5 r330; Top Overlay "GND" at 63.548,9.224 h1.5 r270; Top Overlay "SCL" at 61.008,9.224 h1.5 r270; Top Overlay "SDO/SAO" at 53.864,2.772 h1.5 r330; Top Overlay "VIN" at 66.088,9.224 h1.5 r270; Top Overlay "SDA" at 58.468,9.224 h1.5 r270
U4: Top Overlay "SDA" at 37.028,26.786 h1.5 r270; Top Overlay "DRDY" at 39.528,26.786 h1 r270; Top Overlay "SCL" at 34.528,26.786 h1.5 r270; Top Overlay "VCC" at 29.328,26.986 h1.5 r270; Top Overlay "GND" at 31.928,26.986 h1.5 r270
U5: Top Overlay "RX" at 71.7,48.872 h1.5 r180; Top Overlay "RDY" at 49.611,42.072 h1.5 r180; Top Overlay "NC" at 49.911,56.972 h1.5 r180; Top Overlay "GND" at 50.011,59.372 h1.5 r180; Top Overlay "GND" at 67.4,59.372 h1.5 r180; Top Overlay "SDO" at 50.011,51.772 h1.5 r180; Top Overlay "TX" at 71.6,46.272 h1.5 r180; Top Overlay "SDI" at 49.911,54.472 h1.5 r180; Top Overlay "TMP" at 67.4,44.072 h1.5 r180; Top Overlay "SCK" at 49.911,49.172 h1.5 r180; Top Overlay "CS" at 50.011,46.672 h1.5 r180; Top Overlay "SCL" at 67.2,51.772 h1.5 r180; Top Overlay "RTK" at 49.711,44.172 h1.5 r180; Top Overlay "5V" at 67.4,56.872 h1.5 r180; Top Overlay "RST" at 67.4,41.472 h1.5 r180; Top Overlay "SDA" at 67.4,54.272 h1.5 r180; Bottom Overlay "GPS click" at 53.324,61.821 h2 r180; Bottom Overlay "ANT" at 61.1,3.072 h1.5 r180; Bottom Overlay "USB" at 47.157,3.072 h1.5 r180